# Altium PCB LimePSB-RPCM_1v4.PcbDoc (part 3 of 12) (continued)
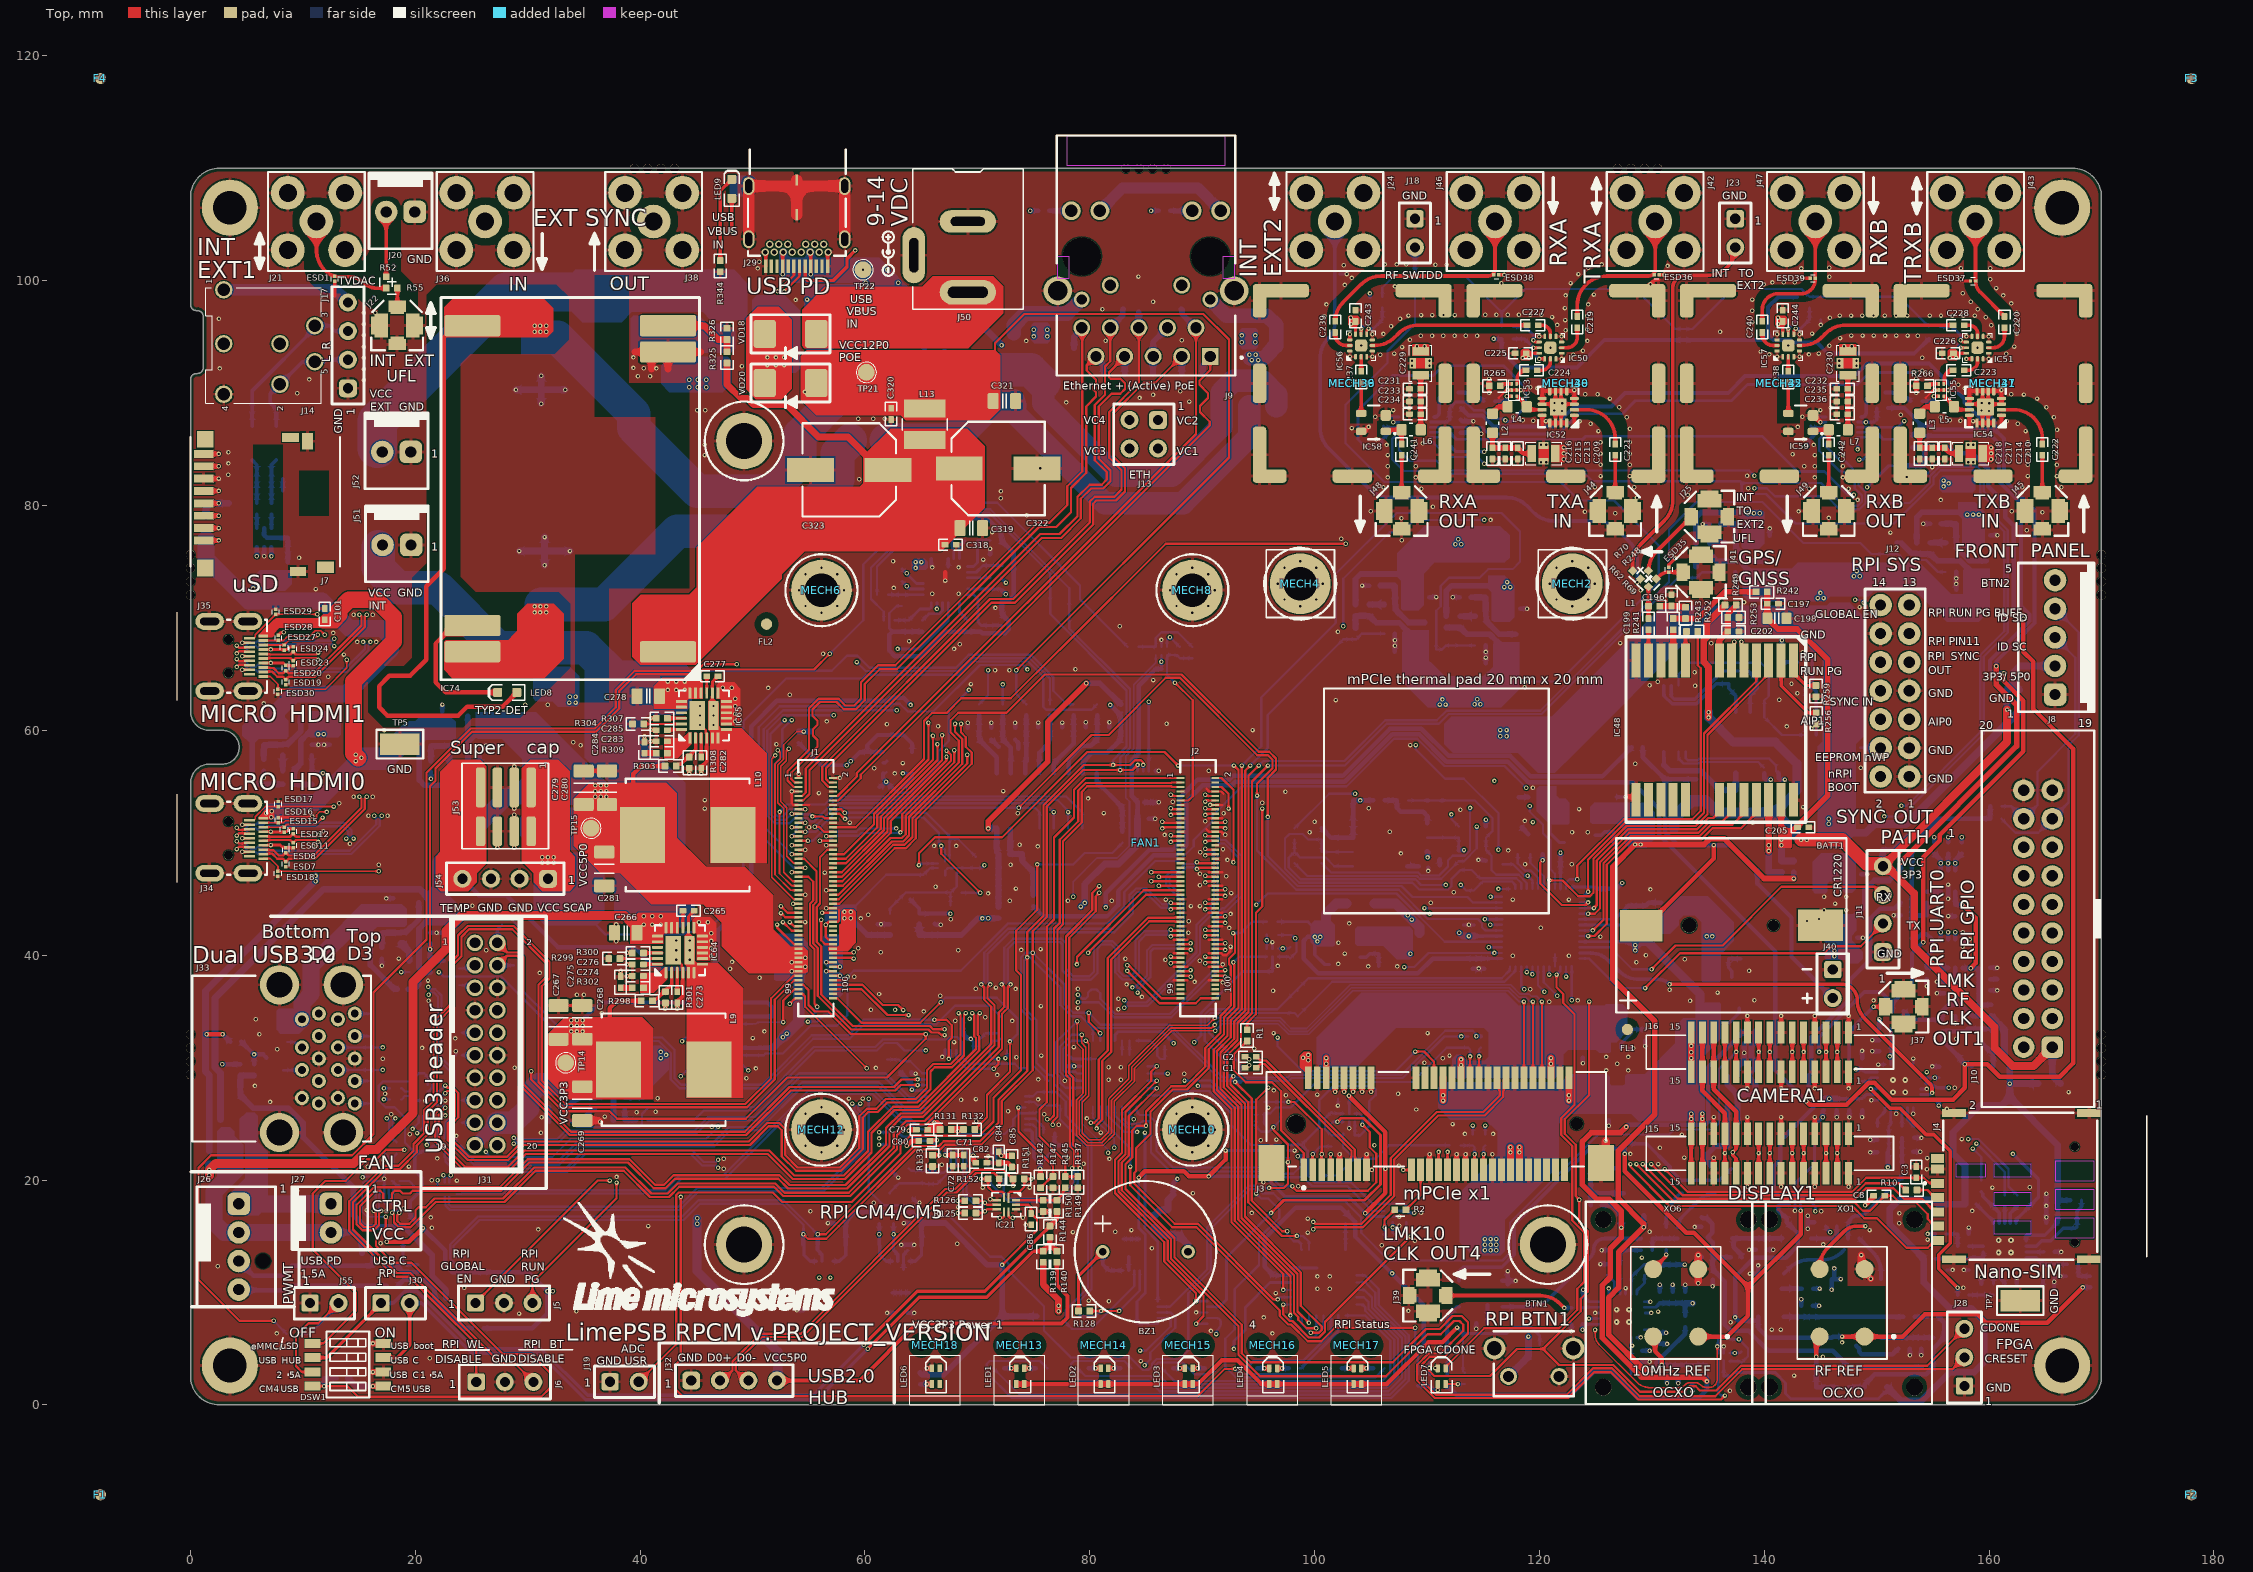
[diagram p0: Top view]
## Part data (continued)
C271 C272 C276 C318 C320: library part Cap_0402, Capacitance=0.022µF, Manufacturer=Kemet, Manufacturer Part Number 1=C0402C223K5RACTU, Operating Temperature="-55°C ~ 125°C", Package / Case="0402 (1005 Metric)", Ratings=-, Supplier Part Number 1=399-7780-1-ND, Temperature Coefficient=X7R, Tolerance=±10%, Voltage - Rated=50V, Applications="General Purpose", Category=Capacitors, Features=-, Height - Seated (Max)=-, Lead Spacing=-, Lead Style=-, Mounting Type="Surface Mount, MLCC", Packaging="Cut Tape (CT)", Part Description="0.022µF ±10% 50V X7R Ceramic Capacitor -55°C ~ 125°C Surface Mount, MLCC 0402 (1005 Metric) 0.039\" L x 0.020\" W (1.00mm x 0.50mm)", RoHS="RoHS Compliant", Size / Dimension="0.039\" L x 0.020\" W (1.00mm x 0.50mm)", Supplier 1=Digi-Key, Thickness (Max)="0.022\" (0.55mm)"
C274: library part Cap_0402, Capacitance=4.7, Capacitance Tolerance="± 0.25", Ceramic Capacitor Case="0402 [1005 Metric]", Dielectric Characteristic="C0G / NP0", Manufacturer="Murata Electronics North America", Manufacturer Part Number 1=GRM1555C1H4R7CA01D, Operating Temperature Max=125, Operating Temperature Min=-55, Supplier Part Number 1=2434644, Voltage Rating=50, MSL="MSL 1 - Unlimited", Packaging="Cut Tape", Part Description="4.7pF ±0.25pF 50V C0G, NP0 Ceramic Capacitor -55°C ~ 125°C Surface Mount, MLCC 0402 (1005 Metric) 0.039\" L x 0.020\" W (1.00mm x 0.50mm)", Product Range="GRM Series", RoHS=YES, Supplier 1=Farnell, SVHC="No SVHC (15-Jun-2015"
C275 C284: library part Cap_0402, Capacitance=1200pF, Manufacturer=Kemet, Manufacturer Part Number 1=C0402C122J5GACTU, Operating Temperature="-55°C ~ 125°C", Package / Case="0402 (1005 Metric)", Ratings=-, Supplier Part Number 1=399-7334-1-ND, Temperature Coefficient="C0G, NP0", Tolerance=±5%, Voltage - Rated=50V, Applications="General Purpose", Category=Capacitors, Features=-, Height - Seated (Max)=-, Lead Spacing=-, Lead Style=-, Mounting Type="Surface Mount, MLCC", Packaging="Cut Tape (CT)", RoHS="RoHS Compliant", Size / Dimension="0.039\" L x 0.020\" W (1.00mm x 0.50mm)", Supplier 1=Digi-Key, Thickness (Max)="0.022\" (0.55mm)"
  C275: Part Description="1200pF ±5% 50V C0G, NP0 Ceramic Capacitor -55°C ~ 125°C Surface Mount, MLCC 0402 (1005 Metric) 0.039\" L x 0.020\" W (1.00mm x 0.50mm)"
  C284: Part Description="1200pF ±5% 50V Ceramic Capacitor C0G, NP0 0402 (1005 Metric)"
C283: library part Cap_0402, Capacitance=2.2pF, Manufacturer="Samsung Electro-Mechanics America, Inc.", Manufacturer Part Number 1=CL05C2R2CB5NNNC, Operating Temperature="-55°C ~ 125°C", Package / Case="0402 (1005 Metric)", Ratings=-, Supplier Part Number 1=1276-1271-1-ND, Temperature Coefficient="C0G, NP0", Tolerance=±0.25pF, Voltage - Rated=50V, Applications="General Purpose", Category=Capacitors, Features=-, Height - Seated (Max)=-, Lead Spacing=-, Lead Style=-, Mounting Type="Surface Mount, MLCC", Packaging="Cut Tape (CT)", Part Description="2.2pF ±0.25pF 50V Ceramic Capacitor C0G, NP0 0402 (1005 Metric)", RoHS="RoHS Compliant", Size / Dimension="0.039\" L x 0.020\" W (1.00mm x 0.50mm)", Supplier 1=Digi-Key, Thickness (Max)="0.022\" (0.55mm)"
C286: library part Cap_0603, Capacitance="0.1 uF", Case Code - in=0402, Case Code - mm=1005, Case Height="0.5 mm", Case Length="1 mm", Dielectric=X7R, Manufacturer="Murata Electronics", Manufacturer Part Number 1=GRM155R71C104KA88D, Maximum Operating Temperature="+ 125 C", Minimum Operating Temperature="- 55 C", Operating Temperature Range="- 55 C to + 125 C", Package / Case="0402 (1005 metric)", Supplier Part Number 1=81-GRM155R71C104KA88, Temperature Coefficient / Code="+/- 15 %", Tolerance="10 %", Voltage Rating DC="16 V", Brand="Murata Electronics", Case Width="0.5 mm", Category="Multilayer Ceramic Capacitors MLCC - SMD/SMT", Minimum Order Quantity=1, Packaging=Reel, Part Description="0.10µF ±10% 16V X7R Ceramic Capacitor -55°C ~ 125°C Surface Mount, MLCC 0402 (1005 Metric) 0.039\" L x 0.020\" W (1.00mm x 0.50mm)", Product="General Type MLCCs", Product Category="Low & Medium Capacitance SMD Ceramic Chip Capacitors", Reeling=True, RoHS="RoHS Compliant", RoHS - Mouser=Y, Series=GRM, Standard Pack Qty=10000, Supplier 1=Mouser, Termination Style=SMD/SMT, Type="General Purpose MLCC"
C287 C288 C289 C290 C291 C292 C293 C294 C295 C296 C297 C298: library part Cap_0402, Capacitance=4.7µF, Manufacturer="Murata Electronics North America", Manufacturer Part Number 1=GRM155R60J475ME87D, Operating Temperature="-55°C ~ 85°C", Package / Case="0402 (1005 Metric)", Ratings=-, Supplier Part Number 1=490-5408-1-ND, Temperature Coefficient=X5R, Tolerance=±20%, Voltage - Rated=6.3V, Applications="General Purpose", Category=Capacitors, Features="Derating Recommended", Height - Seated (Max)=-, Lead Spacing=-, Lead Style=-, Mounting Type="Surface Mount, MLCC", Packaging="Cut Tape (CT)", Part Description="4.7µF ±20% 6.3V X5R Ceramic Capacitor -55°C ~ 85°C Surface Mount, MLCC 0402 (1005 Metric) 0.039\" L x 0.020\" W (1.00mm x 0.50mm)", RoHS="RoHS Compliant", Size / Dimension="0.039\" L x 0.020\" W (1.00mm x 0.50mm)", Supplier 1=Digi-Key, Thickness (Max)="0.022\" (0.55mm)"
C301 C309: library part Cap_1206, Capacitance=1nF, Case/Package=1812, Case Code (Metric)=4532, Dielectric=X7R, Dielectric Material=Ceramic, Manufacturer=KEMET, Manufacturer Part Number=C1812C102KGRACAUTO, Manufacturer Part Number 1=C1812C102KGRACTU, Max Operating Temperature=125°C, Min Operating Temperature=-55°C, Operating Temperature="-55°C ~ 125°C", Package / Case="1812 (4532 Metric)", Ratings=-, Supplier Part Number 1=399-3447-1-ND, Tolerance=±10%, Voltage - Rated="2000V (2kV)", Voltage Rating (DC)=2kV, Applications="General Purpose", Case Code (Imperial)=1812, Category=Capacitors, Failure Rate=-, Features="High Voltage", Height - Seated (Max)=-, Lead Spacing=-, Lead Style=-, Length=4.5mm, Mounting Type="Surface Mount, MLCC", Notification="Current market demand for these product types have resulted in fluctuating and extending lead times. Lead times may differ.", Packaging="Cut Tape (CT)", Part Description="1000pF ±10% 2000V (2kV) Ceramic Capacitor X7R 1812 (4532 Metric)", Part Status=Active, Pricing 2="1=0.51, 10=0.355, 100=0.2132, 500=0.1599 (USD)", RoHS="RoHS Compliant", Size / Dimension="0.177\" L x 0.126\" W (4.50mm x 3.20mm)", Stock 2=4004, Supplier 1=Digi-Key, Supplier 2=Digi-Key, Supplier Part Number 2=399-16774-1-ND, Temperature Coefficient=X7R, Termination=SMD/SMT, Thickness (Max)="0.061\" (1.55mm)", Weight=0.000952oz, Width=3.2mm
C302 C313: library part Cap_0402, Manufacturer=Murata, Manufacturer Part Number 1=GRM1555C1H1R5BA01D, Supplier Part Number 1=490-6212-1-ND, ComponentLink1Description=https://datasheet.ciiva.com/6270/grm1555c1h1r5ba01-01-6270901.pdf?src-supplier=Digikey, ComponentLink1URL=https://datasheet.ciiva.com/6270/grm1555c1h1r5ba01-01-6270901.pdf?src-supplier=Digikey, ComponentLink2Description=https://datasheet.ciiva.com/6270/partnumbering-e-01-6270904.pdf?src-supplier=Digikey, ComponentLink2URL=https://datasheet.ciiva.com/6270/partnumbering-e-01-6270904.pdf?src-supplier=Digikey, ComponentLink3Description=https://datasheet.ciiva.com/6270/partnumbering-e-01-6270907.pdf?src-supplier=Digikey, ComponentLink3URL=https://datasheet.ciiva.com/6270/partnumbering-e-01-6270907.pdf?src-supplier=Digikey, ComponentLink4Description=https://datasheet.ciiva.com/11615/product-11615786.pdf?src-supplier=Avnet, ComponentLink4URL=https://datasheet.ciiva.com/11615/product-11615786.pdf?src-supplier=Avnet, Lead Free=5697LeadFree, Pricing 1="1=0,1, 10=0,028, 100=0,0174, 1000=0,01177, 2500=0,01026, 5000=0,0093 (USD)", RoHS=Yes, Stock 1=154540, Supplier 1=Digikey
C303: library part Cap_0603, Manufacturer="Murata Electronics North America", Manufacturer Part Number 1=GRM188R72A104KA35D, Operating Temperature="-55°C ~ 125°C", Package / Case="0603 (1608 Metric)", Ratings=-, Supplier Part Number 1=490-3285-1-ND, Temperature Coefficient=X7R, Tolerance=±10%, Voltage - Rated=100V, Applications="General Purpose", Category=Capacitors, Features=-, Height - Seated (Max)=-, Lead Spacing=-, Lead Style=-, Mounting Type="Surface Mount, MLCC", Notification="Current market demand for these product types have resulted in fluctuating and extending lead times. Lead times may differ.", Packaging="Cut Tape (CT)", Part Description="0.1µF ±10% 100V Ceramic Capacitor X7R 0603 (1608 Metric)", Part Status="Not For New Designs", RoHS="RoHS Compliant", Size / Dimension="0.063\" L x 0.031\" W (1.60mm x 0.80mm)", Supplier 1=Digi-Key, Thickness (Max)="0.035\" (0.90mm)"
C305: library part Cap_0603, Capacitance=1nF, Case/Package=0603, Case Code (Metric)=1608, Dielectric=X7R, Dielectric Material=Ceramic, Manufacturer=KEMET, Manufacturer Part Number 1=C0603C102K1RACTU, Max Operating Temperature=125°C, Min Operating Temperature=-55°C, Package Quantity=1, Supplier Part Number 1=399-7831-2-ND, Tolerance=10%, Voltage=100V, Case Code (Imperial)=0603, Depth=0.8mm, Dissipation Factor=10%, Height=0.8mm, Lead Pitch=0.7mm, Length=1.6mm, Mount="Surface Mount", Number of Pins=2, Packaging="Tape and Reel", Part Description="1000pF ±10% 100V Ceramic Capacitor X7R 0603 (1608 Metric)", Radiation Hardening=No, REACH SVHC="No SVHC", Supplier 1=Digi-Key, Termination=SMD/SMT, Thickness=0.034inch, Voltage Rating=100V, Voltage Rating (DC)=100V, Width=0.8mm
C310 C324: library part Cap_0603, Capacitance=10000pF, Manufacturer=Yageo, Package / Case="0402 (1005 Metric)", Supplier Part Number 1=311-1349-2-ND, Tolerance=±10%, Voltage - Rated=50V, Category=Capacitors, Part Description="10000pF ±10% 50V X7R Ceramic Capacitor -55°C ~ 125°C Surface Mount, MLCC 0402 (1005 Metric) 0.039\" L x 0.020\" W (1.00mm x 0.50mm)", Supplier 1=Digi-Key
C322 C323: library part Cap_ceramic, Manufacturer="Kyocera AVX", Manufacturer Part Number 1=APA0609221M016R, Supplier Part Number 1=478-APA0609221M016RCT-ND, ComponentLink1Description=http://components.arrow.com/part/dataview/41677645S8110057N1386, ComponentLink1URL=http://components.arrow.com/part/dataview/41677645S8110057N1386, ComponentLink2Description=https://www.distrelec.biz/Web/Downloads/_t/ds/PAN-FK_eng_tds.pdf?mime=application%2Fpdf, ComponentLink2URL=https://www.distrelec.biz/Web/Downloads/_t/ds/PAN-FK_eng_tds.pdf?mime=application%2Fpdf, ComponentLink3Description=http://uk.rs-online.com/webdocs/139e/0900766b8139e40f.pdf, ComponentLink3URL=http://uk.rs-online.com/webdocs/139e/0900766b8139e40f.pdf, ComponentLink4Description=http://www.alliedelec.com/m/d/e9dd47fa10a053d1f2828ce8bc944f54.pdf, ComponentLink4URL=http://www.alliedelec.com/m/d/e9dd47fa10a053d1f2828ce8bc944f54.pdf, ComponentLink5Description=https://industrial.panasonic.com/cdbs/www-data/pdf/RDE0000/ABA0000C1181.pdf, ComponentLink5URL=https://industrial.panasonic.com/cdbs/www-data/pdf/RDE0000/ABA0000C1181.pdf, ComponentLink6Description=http://www.farnell.com/datasheets/2002520.pdf, ComponentLink6URL=http://www.farnell.com/datasheets/2002520.pdf, ComponentLink7Description=http://industrial.panasonic.com/www-data/pdf/ABA0000/ABA0000CE120.pdf, ComponentLink7URL=http://industrial.panasonic.com/www-data/pdf/ABA0000/ABA0000CE120.pdf, ComponentLink8Description=http://www.farnell.com/datasheets/731857.pdf, ComponentLink8URL=http://www.farnell.com/datasheets/731857.pdf, ComponentLink9Description=http://www.produktinfo.conrad.com/datenblaetter/425000-449999/443507-da-01-en-SMD_ELKO_VFK_F_22_UF_100V.pdf, ComponentLink9URL=http://www.produktinfo.conrad.com/datenblaetter/425000-449999/443507-da-01-en-SMD_ELKO_VFK_F_22_UF_100V.pdf, ComponentLink10Description=https://industrial.panasonic.com/cdbs/www-data/pdf/RDE0000/DME0000COL90.pdf, ComponentLink10URL=https://industrial.panasonic.com/cdbs/www-data/pdf/RDE0000/DME0000COL90.pdf, ComponentLink11Description=http://www.industrial.panasonic.com/www-data/pdf/ABA0000/ABA0000CE2.pdf, ComponentLink11URL=http://www.industrial.panasonic.com/www-data/pdf/ABA0000/ABA0000CE2.pdf, ComponentLink12Description=http://www.mouser.com/ds/2/315/ABA0000C1145-947633.pdf, ComponentLink12URL=http://www.mouser.com/ds/2/315/ABA0000C1145-947633.pdf, ComponentLink13Description=http://www.farnell.com/datasheets/2648708.pdf, ComponentLink13URL=http://www.farnell.com/datasheets/2648708.pdf, ComponentLink14Description=http://industrial.panasonic.com/www-data/pdf/ABA0000/ABA0000CE2.pdf, ComponentLink14URL=http://industrial.panasonic.com/www-data/pdf/ABA0000/ABA0000CE2.pdf, ComponentLink15Description=http://www.farnell.com/datasheets/1880501.pdf?src-supplier=Farnell, ComponentLink15URL=http://www.farnell.com/datasheets/1880501.pdf?src-supplier=Farnell, ComponentLink16Description=http://www.farnell.com/datasheets/1880501.pdf?src-supplier=Element14, ComponentLink16URL=http://www.farnell.com/datasheets/1880501.pdf?src-supplier=Element14, ComponentLink17Description=https://katalog.we-online.de/pbs/datasheet/875105344010.pdf?src-supplier=Digi-Key, ComponentLink17URL=https://katalog.we-online.de/pbs/datasheet/875105344010.pdf?src-supplier=Digi-Key, ComponentLink18Description=http://katalog.we-online.de/pbs/datasheet/875105344010.pdf?src-supplier=Digi-Key, ComponentLink18URL=http://katalog.we-online.de/pbs/datasheet/875105344010.pdf?src-supplier=Digi-Key, Part Description="220 µF 16 V Aluminum - Polymer Capacitors Radial, Can - SMD 30mOhm 5000 Hrs @ 105°C", Pricing 1="1=0,59, 10=0,352, 50=0,258, 100=0,2288 (USD)", RoHS=No, Stock 1=757, Supplier 1=Digikey
C326 C328 C329: library part Cap_0603, Manufacturer="Samsung Electro-Mechanics", Manufacturer Part Number 1=CL10A105KA8NNNC, Operating Temperature="-55°C ~ 85°C", Package / Case="0603 (1608 Metric)", Ratings=-, Supplier Part Number 1=1276-1102-1-ND, Temperature Coefficient=X5R, Tolerance=±10%, Voltage - Rated=25V, Applications="General Purpose", Category=Capacitors, Features=-, Height - Seated (Max)=-, Lead Spacing=-, Lead Style=-, Mounting Type="Surface Mount, MLCC", Notification="Current market demand for these product types have resulted in fluctuating and extending lead times. Lead times may differ.", Packaging="Cut Tape (CT)", Part Description="1µF ±10% 25V Ceramic Capacitor X5R 0603 (1608 Metric)", Part Status=Active, RoHS="RoHS Compliant", Size / Dimension="0.063\" L x 0.031\" W (1.60mm x 0.80mm)", Supplier 1=Digi-Key, Thickness (Max)="0.035\" (0.90mm)"
C334 C335: library part Cap_0402, Capacitance=390pF, Case/Package=0402, Case Code (Metric)=1005, Dielectric=X7R, Manufacturer=Samsung, Manufacturer Part Number 1=CL05B391KB5NNNC, Max Operating Temperature=125°C, Min Operating Temperature=-55°C, Package Quantity=1, Supplier Part Number 1=1276-1560-1-ND, Tolerance=10%, Voltage=50V, Case Code (Imperial)=0402, ComponentLink1Description=https://datasheet.ciiva.com/25738/cl05b391kb5nnnc-25738709.pdf?src-supplier=Digi-Key, ComponentLink1URL=https://datasheet.ciiva.com/25738/cl05b391kb5nnnc-25738709.pdf?src-supplier=Digi-Key, ComponentLink2Description=https://datasheet.ciiva.com/26838/getdatasheetpartid-660062-26838242.pdf?src-supplier=Verical, ComponentLink2URL=https://datasheet.ciiva.com/26838/getdatasheetpartid-660062-26838242.pdf?src-supplier=Verical, ComponentLink3Description=https://datasheet.ciiva.com/16202/cl05b104kq5nnnc-16202591.pdf?src-supplier=Future+Electronics, ComponentLink3URL=https://datasheet.ciiva.com/16202/cl05b104kq5nnnc-16202591.pdf?src-supplier=Future+Electronics, Construction=Flat, Depth=0.5mm, Height=0.5mm, Length=1mm, Mount="Surface Mount", Packaging="Tape and Reel", Part Description="390 pF ±10% 50V Ceramic Capacitor X7R 0402 (1005 Metric)", Pricing 1="1=0,10000, 10=0,03400, 50=0,01860, 100=0,01520, 500=0,01088, 1000=0,00855, 2500=0,00778, 5000=0,00715 (USD)", Radiation Hardening=No, RoHS=Yes, RoHS Compliant=Yes, Series=CL, Stock 1=1313447, Supplier 1=Digi-Key, Thickness=0.022inch, Voltage Rating=50V, Width=0.02inch
D1: library part BAT54C_shottky_diode, Average Rectified Current=200mA, Case/Package=TO-236-3, Manufacturer=Comchip, Manufacturer Part Number 1=BAT54C-G, Max Power Dissipation=225mW, Max Reverse Voltage (DC)=30V, Package Quantity=1, Supplier Part Number 1=641-1320-1-ND, ComponentLink1Description=http://www.farnell.com/datasheets/1918741.pdf, ComponentLink1URL=http://www.farnell.com/datasheets/1918741.pdf, ComponentLink2Description=http://www.farnell.com/datasheets/2353871.pdf, ComponentLink2URL=http://www.farnell.com/datasheets/2353871.pdf, ComponentLink3Description=https://www.alliedelec.com/m/d/272158a697e3f24d20806a718aa29d59.pdf, ComponentLink3URL=https://www.alliedelec.com/m/d/272158a697e3f24d20806a718aa29d59.pdf, ComponentLink4Description=http://www.onsemi.com/pub/Collateral/BAT54SLT1-D.PDF, ComponentLink4URL=http://www.onsemi.com/pub/Collateral/BAT54SLT1-D.PDF, ComponentLink5Description=https://datasheet.ciiva.com/4717/bat54-9536-4717410.pdf?src-supplier=Mouser, ComponentLink5URL=https://datasheet.ciiva.com/4717/bat54-9536-4717410.pdf?src-supplier=Mouser, ComponentLink6Description=https://datasheet.ciiva.com/904/bat54-904630.pdf?src-supplier=Digi-Key, ComponentLink6URL=https://datasheet.ciiva.com/904/bat54-904630.pdf?src-supplier=Digi-Key, ComponentLink7Description=https://datasheet.ciiva.com/904/bat54-904631.pdf?src-supplier=Digi-Key, ComponentLink7URL=https://datasheet.ciiva.com/904/bat54-904631.pdf?src-supplier=Digi-Key, ComponentLink8Description=https://datasheet.ciiva.com/904/bat54-904632.pdf?src-supplier=Digi-Key, ComponentLink8URL=https://datasheet.ciiva.com/904/bat54-904632.pdf?src-supplier=Digi-Key, Element Configuration="Common Cathode", Mount="Surface Mount", Packaging="Tape and Reel", Part Description="Diode Array 1 Pair Common Cathode Schottky 30 V 200mA (DC) Surface Mount TO-236-3, SC-59, SOT-23-3", Pricing 1="1=0,23000, 10=0,18500, 100=0,09830, 500=0,06468, 1000=0,04399 (USD)", Recovery Time=5ns, Reverse Recovery Time=5ns, RoHS=Yes, Stock 1=764277, Supplier 1=Digi-Key
D2: library part MURA120T3G_diode, Manufacturer=Nexperia, Manufacturer Part Number 1=BAS316,115, Supplier Part Number 1=1727-4309-1-ND, ComponentLink1Description=http://www.mouser.com/ds/2/427/mmsz5225-102133.pdf, ComponentLink1URL=http://www.mouser.com/ds/2/427/mmsz5225-102133.pdf, ComponentLink2Description=http://www.onsemi.com/pub/Collateral/MMSD4148T1-D.PDF, ComponentLink2URL=http://www.onsemi.com/pub/Collateral/MMSD4148T1-D.PDF, ComponentLink3Description=http://www.farnell.com/datasheets/1707241.pdf, ComponentLink3URL=http://www.farnell.com/datasheets/1707241.pdf, ComponentLink4Description=https://www.verical.com/server-webapp/html/getDatasheet?partID=78734, ComponentLink4URL=https://www.verical.com/server-webapp/html/getDatasheet?partID=78734, ComponentLink5Description=http://www.onsemi.com/pub/Collateral/MURA115T3-D.PDF, ComponentLink5URL=http://www.onsemi.com/pub/Collateral/MURA115T3-D.PDF, ComponentLink6Description=http://www.jameco.com/Jameco/Products/ProdDS/1100812.pdf, ComponentLink6URL=http://www.jameco.com/Jameco/Products/ProdDS/1100812.pdf, ComponentLink7Description=http://uk.rs-online.com/webdocs/1221/0900766b812212fb.pdf, ComponentLink7URL=http://uk.rs-online.com/webdocs/1221/0900766b812212fb.pdf, ComponentLink8Description=http://www.farnell.com/datasheets/1750742.pdf, ComponentLink8URL=http://www.farnell.com/datasheets/1750742.pdf, ComponentLink9Description=http://www.farnell.com/datasheets/1856332.pdf?src-supplier=Farnell, ComponentLink9URL=http://www.farnell.com/datasheets/1856332.pdf?src-supplier=Farnell, ComponentLink10Description=https://assets.nexperia.com/documents/data-sheet/BAS16_SER.pdf?src-supplier=Digi-Key, ComponentLink10URL=https://assets.nexperia.com/documents/data-sheet/BAS16_SER.pdf?src-supplier=Digi-Key, ComponentLink11Description=http://www.farnell.com/datasheets/1856332.pdf?src-supplier=Newark, ComponentLink11URL=http://www.farnell.com/datasheets/1856332.pdf?src-supplier=Newark, Part Description="DIODE GEN PURP 100V 250MA SOD323", Pricing 1="1=0,16000, 10=0,14200, 100=0,07710, 500=0,04744, 1000=0,03234 (USD)", RoHS=Yes, RoHS Compliant=Yes, Stock 1=163548, Supplier 1=Digi-Key
D3: library part MMSZ5245B_shottky_diode, Manufacturer=Nexperia, Manufacturer Part Number 1=NZH10C,115, Supplier Part Number 1=1727-5057-1-ND, ComponentLink1Description=http://www.mouser.com/ds/2/427/mmsz5225-102133.pdf, ComponentLink1URL=http://www.mouser.com/ds/2/427/mmsz5225-102133.pdf, ComponentLink2Description=https://datasheet.ciiva.com/331/littelfuse-tvs-diode-smbj-datasheet-pdf-331299.pdf?src-supplier=Digi-Key, ComponentLink2URL=https://datasheet.ciiva.com/331/littelfuse-tvs-diode-smbj-datasheet-pdf-331299.pdf?src-supplier=Digi-Key, ComponentLink3Description=https://datasheet.ciiva.com/331/littelfuse-tvs-diode-smbj-datasheet-pdf-331300.pdf?src-supplier=Digi-Key, ComponentLink3URL=https://datasheet.ciiva.com/331/littelfuse-tvs-diode-smbj-datasheet-pdf-331300.pdf?src-supplier=Digi-Key, ComponentLink4Description=https://datasheet.ciiva.com/331/littelfuse-tvs-diode-smbj-datasheet-pdf-331301.pdf?src-supplier=Digi-Key, ComponentLink4URL=https://datasheet.ciiva.com/331/littelfuse-tvs-diode-smbj-datasheet-pdf-331301.pdf?src-supplier=Digi-Key, ComponentLink5Description=http://www.farnell.com/datasheets/1508365.pdf?src-supplier=Farnell, ComponentLink5URL=http://www.farnell.com/datasheets/1508365.pdf?src-supplier=Farnell, Part Description="DIODE ZENER 10V 500MW SOD123F", Pricing 1="1=0,27000, 10=0,22200, 100=0,11780, 500=0,07752, 1000=0,05271 (USD)", RoHS=Yes, RoHS Compliant=Yes, Stock 1=6768, Supplier 1=Digi-Key
DSW1: library part SW_SM_4bit, Current Rating=25mA, Manufacturer="Omron Electronics Inc-EMC Div", Manufacturer Part Number 1=A6H-4101, Operating Temperature="-20°C ~ 70°C", Supplier Part Number 1=SW1080-ND, Voltage Rating=24VDC, Actuator Level="Flush, Recessed", Actuator Type="Slide (Standard)", Body Material=-, Category=Switches, Circuit=SPST, Contact Finish=-, Contact Material=-, Electrical Life="1,000 Cycles", Features=-, Height Above Board="0.061\" (1.55mm)", Length="0.248\" (6.31mm)", Mechanical Life="1,000 Cycles", Mounting Type="Surface Mount", Number of Positions=4, Packaging=Tube, Part Description="Dip Switch SPST 4 Position Surface Mount Slide (Standard) Actuator 25mA 24VDC", Pitch="0.050\" (1.27mm), Half", RoHS="RoHS Compliant", Supplier 1=Digi-Key, Termination Style="Gull Wing", Washable=No
ESD1 ESD2 ESD3 ESD4 ESD5 ESD6 ESD7 ESD8 ESD9 ESD10 ESD11 ESD12 ESD13 ESD14 ESD15 ESD16 ESD17 ESD18 ESD19 ESD20 ESD21 ESD22 ESD23 ESD24 ESD25 ESD26 ESD27 ESD28 ESD29 ESD30 ESD31 ESD32 ESD33 ESD34 ESD36 ESD37 ESD38 ESD39: Capacitance @ Frequency="0.2pF @ 1MHz", Current - Peak Pulse (10/1000µs)="3A (8/20µs)", Manufacturer="ON Semiconductor", Manufacturer Part Number 1=ESD8472MUT5G, Operating Temperature="-55°C ~ 150°C (TJ)", Package / Case=2-XFDFN, Power - Peak Pulse=-, Power Line Protection=No, Supplier Device Package="2-X3DFN (0.62x0.32)", Supplier Part Number 1=ESD8472MUT5GOSCT-ND, Voltage - Breakdown (Min)=7V, Voltage - Clamping (Max) @ Ipp=14V, Voltage - Reverse Standoff (Typ)="5.3V (Max)", Applications="Automotive, RF Antenna", Category="Circuit Protection", ComponentLink1Description=http://www.onsemi.com/pub/Collateral/ESD8472-D.PDF, ComponentLink1URL=http://www.onsemi.com/pub/Collateral/ESD8472-D.PDF, Mounting Type="Surface Mount", Packaging="Cut Tape (CT)", Part Description="TVS DIODE 5.3VWM 14VC X3DFN2", Part Status=Active, Pricing 1="1=0.39, 10=0.315, 100=0.2142, 500=0.16068, 1000=0.12051 (USD)", RoHS="RoHS Compliant", Stock 1=2295, Supplier 1=Digi-Key, Type=Zener
ESD35: Capacitance @ Frequency="0.2pF @ 1MHz", Current - Peak Pulse (10/1000µs)="3A (8/20µs)", Manufacturer="ON Semiconductor", Manufacturer Part Number=ESD8472MUT5G, Operating Temperature="-55°C ~ 150°C (TJ)", Package / Case=2-XFDFN, Power - Peak Pulse=-, Power Line Protection=No, Supplier Device Package="2-X3DFN (0.62x0.32)", Supplier Part Number 1=ESD8472MUT5GOSCT-ND, Voltage - Breakdown (Min)=7V, Voltage - Clamping (Max) @ Ipp=14V, Voltage - Reverse Standoff (Typ)="5.3V (Max)", Applications="Automotive, RF Antenna", Category="Circuit Protection", ComponentLink1Description=http://www.onsemi.com/pub/Collateral/ESD8472-D.PDF, ComponentLink1URL=http://www.onsemi.com/pub/Collateral/ESD8472-D.PDF, Manufacturer Part Number 1=ESD8472MUT5G, Mounting Type="Surface Mount", Packaging="Cut Tape (CT)", Part Description="TVS DIODE 5.3VWM 14VC X3DFN2", Part Status=Active, Pricing 1="1=0.39, 10=0.315, 100=0.2142, 500=0.16068, 1000=0.12051 (USD)", RoHS="RoHS Compliant", Stock 1=2295, Supplier 1=Digi-Key, Type=Zener
F9 F10 R7 R279 R280 R297: library part Res_0402, Manufacturer="Vishay Dale", Manufacturer Part Number 1=CRCW08050000Z0EA, Operating Temperature="-55°C ~ 155°C", Package / Case="0805 (2012 Metric)", Power (Watts)="0.125W, 1/8W", Resistance (Ohms)=0.0, Supplier Part Number 1=541-0.0ATR-ND, Temperature Coefficient=-, Tolerance=Jumper, Category=Resistors, Composition="Thick Film", Features="Automotive AEC-Q200", Height="0.020\" (0.50mm)", Number of Terminations=2, Packaging="Tape & Reel (TR)", Part Description="RES SMD 0.0 OHM JUMPER 1/8W 0805", RoHS="RoHS Compliant", Size / Dimension="0.079\" L x 0.049\" W (2.00mm x 1.25mm)", Supplier 1=Digi-Key, Supplier Device Package="0805 (2012 Metric)"
FAN1: library part 12V_DC_FAN, Case/Package=Axial, Current Rating=163mA, Flammability Rating="UL94 V-0", Manufacturer=Sunon, Manufacturer Part Number 1=ME80151V1-000U-A99, Max Operating Temperature=158°C, Max Power Dissipation=1.96W, Min Operating Temperature=14°C, Package Quantity=30, Supplier Part Number 1=259-1649-ND, Airflow=37CFM, Approvals=UL,CE,TUV, Bearing Type=Vapo-Bearing, ComponentLink1Description=https://datasheet.ciiva.com/18514/me8015-u-18514537.pdf?src-supplier=Digi-Key, ComponentLink1URL=https://datasheet.ciiva.com/18514/me8015-u-18514537.pdf?src-supplier=Digi-Key, Housing Material=Thermoplastic, Noise=34.7dBA, Part Description="Fan Tubeaxial 12VDC Square - 80mm L x 80mm H Vapo-Bearing™ 37.0 CFM (1.04m³/min) 2 Wire Leads", Pricing 1="1=6,90000, 10=6,66700, 25=6,47400, 50=6,08860, 100=5,47200, 250=5,39488, 500=5,04808 (USD)", RoHS=Yes, RPM=3000RPM, Stock 1=1611, Supplier 1=Digi-Key, Termination="2 Wire Leads", Weight=0.15lb, Width=15mm
FR1 FR4 FR9 FR13 FR14 FR15 FR16 FR17 FR18 FR19 FR20 FR22: library part Ferrite, Current Rating=2A, DC Resistance (DCR)="100 mOhm Max", Impedance @ Frequency="600 Ohm @ 100MHz", Manufacturer="TDK Corporation", Manufacturer Part Number 1=MPZ2012S601AT000, Package / Case="0805 (2012 Metric)", Supplier Part Number 1=445-2206-2-ND, Category=Filters, Filter Type="Differential Mode - Single", Height (Max)="0.041\" (1.05mm)", Mounting Type="Surface Mount", Packaging="Tape & Reel (TR)", Part Description="FERRITE BEAD 600 OHM 0805 1LN", RoHS="RoHS Compliant", Size / Dimension="0.079\" L x 0.049\" W (2.00mm x 1.25mm)", Supplier 1=Digi-Key
FR2 FR3 FR5 FR6 FR7 FR8 FR10 FR11 FR12 FR21 FR23: library part Ferrite, Case/Package=0402, Case Code (Metric)=1005, Current Rating=500mA, DC Resistance (DCR)=340mR, Manufacturer=Murata, Manufacturer Part Number 1=BLM15AX601SN1D, Max Operating Temperature=125°C, Min Operating Temperature=-55°C, Package Quantity=1, Supplier Part Number 1=490-5441-1-ND, Test Frequency=100MHz, Tolerance=25%, Case Code (Imperial)=0402, ComponentLink1Description=https://www.murata.com/en-us/products/productdata/8796740059166/ENFA0018.pdf?src-supplier=Digi-Key, ComponentLink1URL=https://www.murata.com/en-us/products/productdata/8796740059166/ENFA0018.pdf?src-supplier=Digi-Key, ComponentLink2Description=http://search.murata.co.jp/Ceramy/image/img/PDF/ENG/L0110S0100BLM15AX_SN.pdf?src-supplier=Future+Electronics, ComponentLink2URL=http://search.murata.co.jp/Ceramy/image/img/PDF/ENG/L0110S0100BLM15AX_SN.pdf?src-supplier=Future+Electronics, ComponentLink3Description=http://www.produktinfo.conrad.com/datenblaetter/1100000-1199999/001171675-da-01-en-CHIP_DROSSEL0402_600R_420MA_1_0X0_5MM.pdf?src-supplier=Conrad, ComponentLink3URL=http://www.produktinfo.conrad.com/datenblaetter/1100000-1199999/001171675-da-01-en-CHIP_DROSSEL0402_600R_420MA_1_0X0_5MM.pdf?src-supplier=Conrad, ComponentLink4Description=http://www.produktinfo.conrad.com/datenblaetter/1100000-1199999/001172169-da-01-en-DROSSEL_0402_600R_1_0X0_5MM_10000ST.pdf?src-supplier=Conrad, ComponentLink4URL=http://www.produktinfo.conrad.com/datenblaetter/1100000-1199999/001172169-da-01-en-DROSSEL_0402_600R_1_0X0_5MM_10000ST.pdf?src-supplier=Conrad, Core Material=Ferrite, DC Resistance-Max=340mR, Depth=0.5mm, Height=0.5mm, Impedance=600R, Lead Free="Lead Free", Length=1mm, Material=Steel,Ferrite, Max Current Rating=500mA, Max DC Current=500mA, Number of Circuits=1, Number of Lines=1, Number of Pins=2, Packaging="Tape and Reel", Part Description="- Ferrite Bead 0402 (1005 Metric) 500mA 340mOhm", Pricing 1="1=0.1, 10=0.06, 25=0.0552, 50=0.0496, 100=0.0363, 250=0.0264, 500=0.0242, 1000=0.0209, 5000=0.0165 (USD)", REACH SVHC="No SVHC", RoHS Compliant=Yes, Series=BLM15AX_SN, Stock 1=416370, Supplier 1=Digi-Key, Termination=SMD/SMT, Width=0.5mm
IC1 IC33 IC35 IC40 IC41 IC42 IC43 IC45: library part 74LVC1G3157FZ4_SPDT_SW, Manufacturer=Diodes, Manufacturer Part Number 1=74LVC1G3157FZ4-7, Max Operating Temperature=125°C, Min Operating Temperature=-40°C, On-State Resistance=10R, Supplier Part Number 1=74LVC1G3157FZ4-7DICT-ND, -3db Bandwidth=300MHz, ComponentLink1Description=https://www.diodes.com/assets/Datasheets/74LVC1G3157.pdf?src-supplier=Digi-Key, ComponentLink1URL=https://www.diodes.com/assets/Datasheets/74LVC1G3157.pdf?src-supplier=Digi-Key, ComponentLink2Description=https://www.diodes.com/assets/product-showcases/74LVC3157-NPA-0516.pdf?src-supplier=Digi-Key, ComponentLink2URL=https://www.diodes.com/assets/product-showcases/74LVC3157-NPA-0516.pdf?src-supplier=Digi-Key, Number of Circuits=1, Number of Pins=6, Packaging="Tape and Reel", Part Description="1 Circuit IC Switch 2:1 10Ohm X2-DFN1410-6", Pricing 1="1=0,42000, 10=0,31200, 25=0,27320, 100=0,17670, 250=0,14628, 500=0,11702, 1000=0,08972, 2500=0,07802 (USD)", RoHS=Yes, RoHS Compliant=Yes, Stock 1=158709, Supplier 1=Digi-Key
IC2 IC3 IC17: library part 74AHCT1G126SE-7_BUFFER_NON_INV, Manufacturer=Diodes, Supplier Part Number 1=621-74LVC1G34QSE-7, ComponentLink1Description=https://datasheet.ciiva.com/12256/74ahct1g126-80154-12256741.pdf?src-supplier=Mouser, ComponentLink1URL=https://datasheet.ciiva.com/12256/74ahct1g126-80154-12256741.pdf?src-supplier=Mouser, ComponentLink2Description=https://datasheet.ciiva.com/26949/getdatasheetpartid-792439-26949318.pdf?src-supplier=Verical, ComponentLink2URL=https://datasheet.ciiva.com/26949/getdatasheetpartid-792439-26949318.pdf?src-supplier=Verical, ComponentLink3Description=https://datasheet.ciiva.com/1832/74ahct1g126-1832523.pdf?src-supplier=Digi-Key, ComponentLink3URL=https://datasheet.ciiva.com/1832/74ahct1g126-1832523.pdf?src-supplier=Digi-Key, ComponentLink4Description=https://datasheet.ciiva.com/1832/74ahct1g126-1832524.pdf?src-supplier=Digi-Key, ComponentLink4URL=https://datasheet.ciiva.com/1832/74ahct1g126-1832524.pdf?src-supplier=Digi-Key, ComponentLink5Description=https://datasheet.ciiva.com/1154/74ahct1g126-1154309.pdf?src-supplier=Element14, ComponentLink5URL=https://datasheet.ciiva.com/1154/74ahct1g126-1154309.pdf?src-supplier=Element14, ComponentLink6Description=https://datasheet.ciiva.com/26939/getdatasheetpartid-779272-26939183.pdf?src-supplier=Verical, ComponentLink6URL=https://datasheet.ciiva.com/26939/getdatasheetpartid-779272-26939183.pdf?src-supplier=Verical, Manufacturer Part Number 1=74LVC1G34QSE-7, Part Description="Buffers & Line Drivers Logic LVC 1 Gate SOT353 T&R 3K", Pricing 1="1=0,45000, 10=0,33900, 50=0,33900, 100=0,17800, 1000=0,11200, 10000=0,09400 (USD)", RoHS=Yes, Stock 1=1171, Supplier 1=Mouser
IC4 IC24 IC25 IC28 IC60 IC61 IC62 IC63: library part MIC2033_power_switch, Case/Package=SOT-23-6, Manufacturer=Microchip, Manufacturer Part Number 1=MIC2039EYM6-TR, Max Operating Temperature=125°C, Max Output Current=2.5A, Min Operating Temperature=-40°C, Package Quantity=3000, Supplier Part Number 1=576-4193-1-ND, ComponentLink1Description=http://www.mouser.com/ds/2/268/mic2033-b-1076865.pdf?src-supplier=Mouser, ComponentLink1URL=http://www.mouser.com/ds/2/268/mic2033-b-1076865.pdf?src-supplier=Mouser, ComponentLink2Description=http://components.arrow.com/part/dataview/56727820S413982N1374?src-supplier=Arrow+Electronics, ComponentLink2URL=http://components.arrow.com/part/dataview/56727820S413982N1374?src-supplier=Arrow+Electronics, ComponentLink3Description=http://www.microchip.com/mymicrochip/filehandler.aspx?ddocname=en579457&src-supplier=Digi-Key, ComponentLink3URL=http://www.microchip.com/mymicrochip/filehandler.aspx?ddocname=en579457&src-supplier=Digi-Key, ComponentLink4Description=https://datasheet.ciiva.com/6607/mic2039-6607725.pdf?src-supplier=Digi-Key, ComponentLink4URL=https://datasheet.ciiva.com/6607/mic2039-6607725.pdf?src-supplier=Digi-Key, Fault Protection="Over Temperature", Interface=On/Off, Number of Outputs=1, Output Configuration="High Side", Packaging="Tape and Reel", Part Description="Power Switch/Driver 1:1 P-Channel 2.5A SOT-23-6", Pricing 1="1=0,98000, 25=0,80560, 100=0,75000 (USD)", RoHS=No, Series=-, Stock 1=37195, Supplier 1=Digi-Key
IC5: library part NC7WZ16P6X_DUAL_BUFFER, Manufacturer=Nexperia, Manufacturer Part Number 1=74LVC2G34GW,125, Supplier Part Number 1=1727-4219-1-ND, ComponentLink1Description=https://assets.nexperia.com/documents/data-sheet/74LVC2G34.pdf?src-supplier=Digi-Key, ComponentLink1URL=https://assets.nexperia.com/documents/data-sheet/74LVC2G34.pdf?src-supplier=Digi-Key, Part Description="Buffer, Non-Inverting 2 Element 1 Bit per Element Push-Pull Output 6-TSSOP", Pricing 1="1=0,430000, 10=0,321000, 25=0,281200, 100=0,182000, 250=0,150640, 500=0,120520, 1000=0,092400 (USD)", RoHS=Yes, RoHS Compliant=Yes, Stock 1=2900, Supplier 1=Digi-Key
IC6: library part MCP3208-CI/SL, "2.7V 4-Channel/8-Channel 12-Bit A/D Converters with SPI Serial Interface, 16-Pin SOIC 150mil, C Performance Grade, Industrial Temperature", Manufacturer=Microchip, Manufacturer Part Number 1=MCP3208T-CI/SL, Supplier Part Number 1=MCP3208T-CI/SLCT-ND, Mounting Technology="Surface Mount", PackageDescription="16-Lead Plastic Small Outline (SL) - Narrow, 3.90mm Body [SOIC]", PackageReference=SOIC-SL16, PackageVersion="revBB, Aug-2009", Part Description="12 Bit Analog to Digital Converter 4, 8 Input 1 SAR 16-SOIC", PartNumber=MCP3208-CI/SL, Supplier 1=Digi-Key